# Altium PCB DI543.PcbDoc (part 3 of 8) (continued)
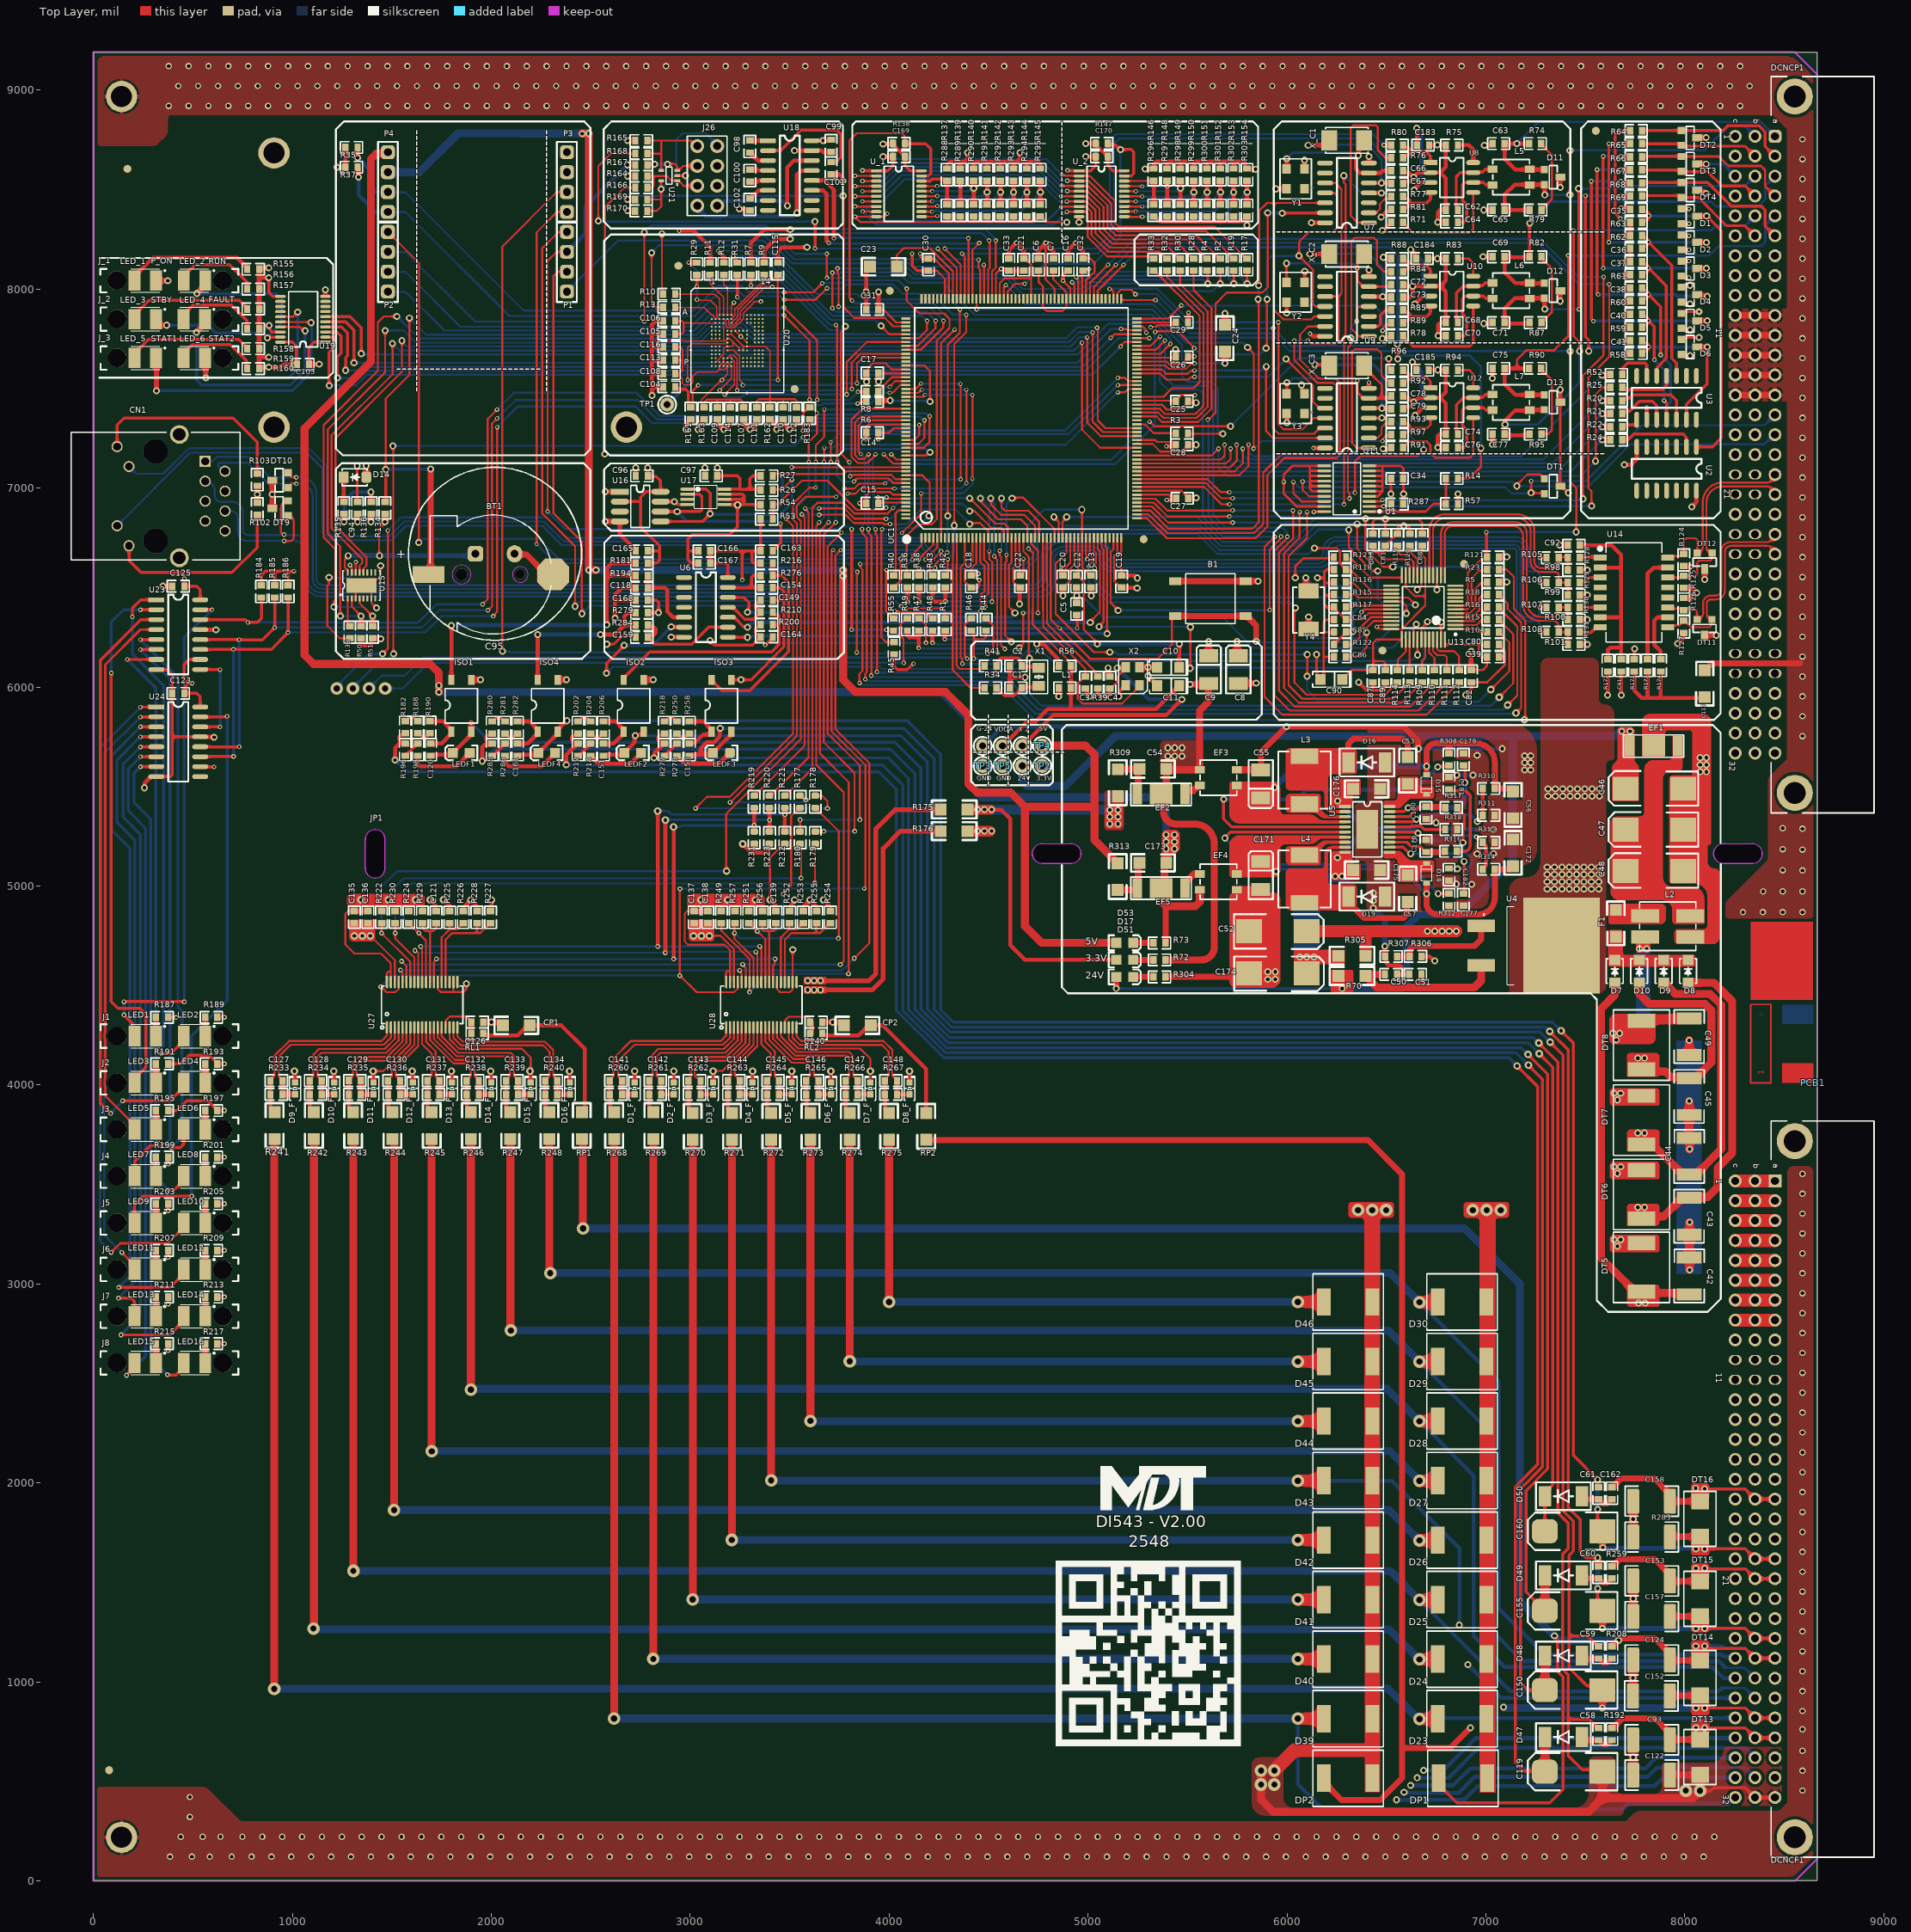
[diagram p0: Top Layer view]
## Nets (pads, with @x,y where several pads share a name; then routed paths per layer and width w, separated by ;. In a path a pad name is that pad's centre, name@x,y a point inside that pad or via, vN(x,y) a via of type N, cw(c..) or ccw(c..) an arc to the next point about the centre after c; other vN are vias at no path point) (continued)
  other v1: 6064,4644 6100,4644 6243,5049 6277,5049 6254.5,5428
+24V: 24V.1 C46.1 D51.A EF1.3 R70.1 | length 6378.6
  Top Layer w15: D51.A@5142,4543.41 D51.A@5142.27,4543.68
  Top Layer w30: v1(5142,4485) D51.A@5142,4543.41
  Top Layer w50: C46.1@7703.1,5489.2 C46.1@7722.43,5508.53
  Bottom Layer w15: v1(5142,4485) v1(6278,4485)
  Bottom Layer w40: 24V.1@4670.32,5604.24 4670.32,5525.43 4693.75,5502 4886,5502 5138,5754 7135,5754 7649,5754 7673.54,5778.54 v1(7683.56,5778.54) ; v1(6278,4485) 6576.57,4485 6600,4508.43 6600,4794 6663,4857 6864,4857 7135,5128 7135,5738.19 ; v1@7686.02,5778.54 v1(7725.39,5778.54)
+24V-1: C140.2 RL2.1 U28.16 | length 250.7
  Top Layer w9.84: U28.16@3475.85,4289.32 3476.23,4289.7 3476.23,4324.23 3495,4343 3589.77,4343 3613.27,4319.5 C140.2@3613.27,4316
  Top Layer w19.68: RL2.1@3613.27,4258.38 C140.2@3613.27,4316
+24V-2: C126.2 RL1.1 U27.16 | length 241.4
  Top Layer w9.84: U27.16@1771.05,4289.7 1771.05,4324.23 1790.82,4344 1874.5,4344 C126.2@1899,4319.5
  Top Layer w19.68: RL1.1@1893,4257.86 1899,4263.86 C126.2@1899,4316
+24VF-1: C119.1 D47.K R182.2 R196.2 | length 11061.5
  Top Layer w15: R196.2@1555.9,5725.26 1544.33,5725.26 1535.55,5734.05 1535.55,5750.36 1544.33,5759.15 1559.4,5759.15 R182.2@1567.9,5767.65 ; v5(7157,4096) 7259.84,3993.16 7259.84,2092.52 7147.64,1980.32 7147.64,594.49 7190.95,551.18 C119.1@7297.36,551.18
  Top Layer w20: v1(1516.77,5632.87) 1516.77,5693.9 1539.41,5716.54 1567.12,5716.54 R196.2@1567.9,5715.76
  Top Layer w40: C119.1@7296.96,548.23 7297.36,548.63 7297.36,551.18 7297.36,721.99 D47.K@7297.77,722.39
  Bottom Layer w15: v1(1516.77,5632.87) 1576.65,5573 3949,5573 4037,5485 4037,4375 4276,4136 7117,4136 v5(7157,4096)
+24VF-2: C150.1 D48.K R202.2 R212.2 | length 9829.4
  Top Layer w15: R212.2@2424.48,5724.26 2412.91,5724.26 2404.12,5733.05 2404.12,5749.36 2412.91,5758.15 2427.98,5758.15 R202.2@2436.48,5766.65 ; v5(7214,4099.86) 7285.43,4028.42 7285.43,2080.71 7174.21,1969.49 7174.21,996.06 7211.71,958.56 C150.1@7296.96,958.56
  Top Layer w20: v1(2377,5609) 2377,5659.78 2432.98,5715.76 R212.2@2436.48,5715.76
  Top Layer w30: C150.1@7296.96,958.56 C150.1@7297.36,958.97 ; D48.K@7297.36,1131.68 D48.K@7297.77,1132.09
  Top Layer w40: C150.1@7297.36,958.97 D48.K@7297.36,1131.68
  Bottom Layer w15: v1(2377,5609) 3968,5609 4069,5508 4069,4375.35 4282.35,4162 7151,4162 v5@7213,4100
+24VF-3: C155.1 D49.K R218.2 R277.2 | length 8976.1
  Top Layer w15: R277.2@2867.04,5715.76 2858.54,5724.26 2846.98,5724.26 2838.19,5733.05 2838.19,5749.36 2846.98,5758.15 2862.04,5758.15 R218.2@2870.54,5766.65 ; v5@7211.98,4154.02 7311,4055 7311,2070.84 7201.77,1961.61 7201.77,1452.52 C155.1@7296.96,1357.33 C155.1@7297.36,1357.74
  Top Layer w20: v1(2818,5644) 2820.87,5646.87 2820.87,5669.59 R277.2@2867.04,5715.76
  Top Layer w30: D49.K@7297.36,1534.62 D49.K@7297.77,1535.03
  Top Layer w40: C155.1@7297.36,1357.74 D49.K@7297.36,1534.62
  Bottom Layer w15: v1(2818,5644) 3995,5644 4097,5542 4097,4379.7 4289.7,4187 7178.38,4187 v5(7211.67,4153.71)
+24VF-4: C160.1 D50.K R280.2 R285.2 | length 9320.3
  Top Layer w15: R285.2@1992.6,5724.26 1981.03,5724.26 1972.25,5733.05 1972.25,5749.36 1981.03,5758.15 1996.1,5758.15 R280.2@2004.6,5766.65 ; v5@7268.55,4157.45 7336.73,4089.27 7336.73,1990.43 7321.76,1975.46 7297.77,1951.46 D50.K@7297.77,1932.96 7296.96,1932.15 C160.1@7296.96,1757.1
  Top Layer w20: v1(1954.76,5627.95) 1954.76,5698.04 1966.48,5709.76 1998.6,5709.76 R285.2@2004.6,5715.76
  Bottom Layer w15: v1(1954.76,5627.95) 2015.81,5689 4006,5689 4129,5566 4129,4380.05 4297.05,4212 7214,4212 v5@7268.55,4157.45
  other v5: 7268.67,4157.57
A_CS0: R138.1 U_1.19 UC1.95 | length 3357.5
  Top Layer w10: v3(3813.98,7942.91) 3801.91,7954.98 3801.91,8748.91 3837,8784 4064,8784 4080.66,8767.34 R138.1@4080.66,8731.4 ; UC1.95@5245.9,7675.54 5365.04,7675.54 v3(5414,7724.5)
  Top Layer w15: R138.1@4080.66,8731.4 4184.4,8731.4 4209.8,8706 4209.8,8582.43 4196.84,8569.47 4162.94,8569.47 U_1.19@4162.8,8569.33
  Bottom Layer w10: v3(3813.98,7942.91) 3827.76,7929.13 4221.87,7929.13 4304.54,7846.46 5319.16,7846.46 5414,7751.61 v3(5414,7724.5)
A_CS1: R147.1 U_2.19 UC1.134 | length 1463.5
  Top Layer w10: UC1.134@4596.29,7951.13 4596.29,7989.01 4634.46,8027.18 4681.18,8027.18 v3(4681.87,8027.87)
  Top Layer w15: R147.1@5099.64,8733 5108.14,8724.5 5138.54,8724.5 5161.05,8702 5216,8702 5229,8689 5229,8582 5216.47,8569.47 5182.14,8569.47 U_2.19@5182,8569.33
  Bottom Layer w10: v3(4681.87,8027.87) 4781.38,8127.38 5027.38,8127.38 5162,8262 v1@5162,8702
  other v1: 5163.97,8702
BP-ADD0: DCNCP1.A2 DT2.1 R64.1 | length 784.1
  Top Layer w15: R64.1@7785.91,8797.51 7786.38,8797.98 7981.97,8797.98 DT2.1@7982.44,8798.45 8193.45,8798.45 8216,8821 8374,8821 8402,8793 8402,8790.97 8403.76,8789.21 8403.76,8717.24 8452.5,8668.5 DCNCP1.A2@8453.78,8668.5
BP-ADD1: DCNCP1.B2 DT2.2 R65.1 | length 593.4
  Top Layer w14: R65.1@7786.08,8730.46 7975.44,8730.46 7987.41,8718.48 8303.8,8718.48 DCNCP1.B2@8353.78,8668.5
BP-ADD2: DCNCP1.A4 DT3.1 R66.1 | length 797.7
  Top Layer w12: DT3.1@7982.44,8667.04 8171.96,8667.04 8218.98,8620.02 8382.98,8620.02 8404,8599 8404,8518.28 DCNCP1.A4@8453.78,8468.5
  Top Layer w15: R66.1@7786.08,8668.19 7981.29,8668.19 DT3.1@7982.44,8667.04
BP-ADD3: DCNCP1.B4 DT3.2 R67.1 | length 623.2
  Top Layer w15: R67.1@7786.08,8598.93 7975.56,8598.93 DT3.2@7982.44,8592.04 DT3.2@7984.49,8590 ; DT3.2@7983.47,8591.02 8114.98,8591.02 8187.48,8518.52 8303.76,8518.52 DCNCP1.B4@8353.78,8468.5
BP-ADD4: DCNCP1.A6 DT4.1 R68.1 | length 824
  Top Layer w15: R68.1@7786.08,8536.66 DT4.1@7981.41,8536.66 ; DT4.1@7982.44,8535.63 8115.37,8535.63 8232.52,8418.48 8383.52,8418.48 8403.8,8398.2 8403.8,8347.8 8404,8347.6 8404,8318.28 DCNCP1.A6@8453.78,8268.5
BP-ADD5: DCNCP1.B6 DT4.2 R69.1 | length 648.4
  Top Layer w14: R69.1@7786.08,8467.4 R69.1@7788.7,8470.01 ; R69.1@7786.08,8470.01 R69.1@7788.7,8470.01 ; DT4.2@7979.92,8470.01 R69.1@7788.7,8470.01 ; DT4.2@7982.44,8460.63 8068.91,8460.63 8210.54,8319 8303.28,8319 DCNCP1.B6@8353.78,8268.5
BPA0: R24.2 U2.2 | length 389.7
  Top Layer w15: R24.2@7687,7242.42 7689.66,7245.08 7717.52,7245.08 7745.08,7272.64 7992.13,7272.64 8007.06,7257.7 8007.06,7209.16 U2.2@8008.79,7207.44
BPA1: R25.2 U3.4 | length 287.5
  Top Layer w15: R25.2@7687,7505.83 7687,7502.59 7695.5,7494.09 7889.76,7494.09 7908.79,7513.12 U3.4@7908.79,7564.2
BPA2: R52.2 U3.6 | length 222.1
  Top Layer w15: R52.2@7687,7571.68 7689.9,7574.58 7689.9,7604.9 7712.95,7627.95 7801.18,7627.95 7808.79,7620.35 U3.6@7808.79,7564.2
BPA3: R22.2 U3.8 | length 95
  Top Layer w15: R22.2@7687.01,7318.5 7754.63,7318.5 7758.79,7322.66 U3.8@7758.79,7344.2
BPA4: R21.2 U3.10 | length 278.9
  Top Layer w15: R21.2@7687,7374.12 7687,7377.62 7695.5,7386.12 7722.12,7386.12 7772,7436 7837.62,7436 7858.79,7414.84 U3.10@7858.79,7344.2
BPA5: R20.2 U3.12 | length 394.5
  Top Layer w15: R20.2@7687,7439.98 7687,7443.48 7695.5,7451.98 7721.98,7451.98 7739.09,7469.09 7930.91,7469.09 7958.79,7441.21 U3.12@7958.79,7344.2
D0: R17.1 U_1.2 U_2.2 | length 2385.7
  Top Layer w10: v3(3828.4,8570.18) 3828.45,8570.13 3935.61,8570.13 U_1.2@3936.42,8569.33 ; v3(4870.44,8574.44) 4872.74,8572.15 4885.15,8572.15 4886.23,8571.07 4931.12,8571.07 4931.76,8570.43 4954.52,8570.43 U_2.2@4955.62,8569.33 5009.67,8569.33 5138,8441 5138,8331 5155,8314 5635.48,8314 5795.78,8153.7 R17.1@5799.28,8153.7
  Bottom Layer w10: v3(3828.4,8570.18) 3934.18,8570.18 4018.13,8654.13 4790.75,8654.13 v3(4870.44,8574.44)
D1: R19.1 U_1.3 U_2.3 | length 2237.6
  Top Layer w10: v3@3866,8543.15 U_1.3@3935.83,8543.15 ; v3(4896,8545) 4896.63,8544.37 4954.99,8544.37 U_2.3@4955.62,8543.74 5003.96,8543.74 5118,8429.71 5118,8322.72 5149.14,8291.57 5594.52,8291.57 5717.89,8168.2 5717.89,8164.7 5728.89,8153.7 R19.1@5732.39,8153.7
  Bottom Layer w10: v3@3866,8543.15 3941.91,8543.15 4032.89,8634.13 4773.98,8634.13 4862.54,8545.57 4895.43,8545.57 v3(4896,8545)
  other v3: 3866,8544.13
D2: R2.1 U_1.4 U_2.4 | length 2240.6
  Top Layer w10: v3(3827.91,8518) U_1.4@3936.27,8518 ; v3(4868.74,8519.57) 4869.27,8519.05 4885.18,8519.05 4885.23,8519 4906.77,8519 4906.82,8519.05 4954.73,8519.05 U_2.4@4955.62,8518.15 5001.27,8518.15 5098,8421.42 5098,8312 5138.86,8271.14 5544.56,8271.14 5662,8153.7 R2.1@5665.5,8153.7
  Bottom Layer w10: v3(3827.91,8518) 3945.04,8518 4041.18,8614.13 4765.7,8614.13 4854.26,8525.57 4859.49,8525.57 4865.49,8519.57 v3(4868.74,8519.57)
D3: R4.1 U_1.5 U_2.5 | length 2095.4
  Top Layer w10: v6@3866,8491 3866.78,8491.78 3935.64,8491.78 U_1.5@3936.42,8492.56 ; v3(4896,8493) 4896.22,8492.78 4954.28,8492.78 U_2.5@4955.06,8492 ; U_2.5@4955.62,8492.56 4998.58,8492.56 5078,8413.14 5078,8301.67 5129.95,8249.71 5502.6,8249.71 5584.11,8168.2 5584.11,8164.7 5595.11,8153.7 R4.1@5598.61,8153.7
  Bottom Layer w10: v6(3866,8492) 3947.33,8492 4049.46,8594.13 4757.41,8594.13 4858.55,8493 v3(4896,8493)
D4: R28.1 U_1.6 U_2.6 | length 2096.4
  Top Layer w10: v3(3827.91,8467) U_1.6@3936.42,8466.97 ; v3(4865.97,8467) 4866.18,8466.79 4883.02,8466.79 4883.23,8467 4904.77,8467 4904.98,8466.79 U_2.6@4955.44,8466.79 ; U_2.6@4955.62,8466.97 4956.72,8465.87 4996.98,8465.87 5058,8404.85 5058,8293.02 5122.02,8229 5452.92,8229 5528.22,8153.7 R28.1@5531.72,8153.7
  Bottom Layer w10: v3(3827.91,8467) 3957.04,8467 4064.18,8574.13 4749.13,8574.13 4853.97,8469.3 4863.67,8469.3 v3(4865.97,8467)
D5: R30.1 U_1.7 U_2.7 | length 1947.6
  Top Layer w10: v6@3867,8441 3867.19,8441.19 3936.23,8441.19 U_1.7@3936.42,8441.38 ; v3(4894,8441) 4894.19,8441.19 4955.43,8441.19 U_2.7@4955.62,8441.38 ; U_2.7@4956.72,8440.28 4994.29,8440.28 5038,8396.57 5038,8281 5110,8209 5406.03,8209 5461.33,8153.7 R30.1@5464.83,8153.7
  Bottom Layer w10: v6(3866,8441) 3966.59,8441 4079.72,8554.13 4740.84,8554.13 4853.98,8441 v3(4894,8441)
D6: R32.1 U_1.8 U_2.8 | length 1916
  Top Layer w10: v3(3827.91,8415.79) U_1.8@3936.42,8415.79 ; v3(4866.18,8415) 4954.83,8415 U_2.8@4955.62,8415.79 4956.72,8414.69 4991.6,8414.69 5018,8388.28 5018,8270.75 5099.75,8189 5359.14,8189 5394.44,8153.7 R32.1@5397.94,8153.7
  Bottom Layer w10: v3@3827.91,8416 3877.36,8416 3949.89,8343.46 4362.84,8343.46 4363.38,8344 4794.39,8344 4817.39,8367 4865.39,8415 v3(4866.18,8415)
D7: R33.1 U_1.9 U_2.9 | length 1757
  Top Layer w10: v6(3867.21,8390.79) 3867.51,8390.49 3936.12,8390.49 U_1.9@3936.42,8390.2 ; v3(4894,8389) 4894.6,8389.6 4955.02,8389.6 U_2.9@4955.62,8390.2 4987.8,8390.2 4998,8380 4998,8262.47 5095.76,8164.7 5320.05,8164.7 R33.1@5331.05,8153.7
  Bottom Layer w10: v6(3867.21,8390.79) 3936.15,8321.85 4824.85,8321.85 4892,8389 v3(4894,8389)
DIN1: D39.K DCNCF1.C32 R268.1 | length 9084.3
  Top Layer w39.37: v7@2617.43,817.91 2611.52,823.82 2611.52,826.91 2617.43,832.82 R268.1@2617.43,3728.56
  Top Layer w60: v7(6055,815) v7(6055,815) 6185.87,814.96 D39.K@6185.91,814.93
  Bottom Layer w11.81: DCNCF1.C32@8251.58,418.5 DCNCF1.C32@8253.78,418.5
  Bottom Layer w20: v7(6055,815) 6055,485 6181,359 7689,359 7719,389 8222.08,389 DCNCF1.C32@8251.58,418.5
  Bottom Layer w39.37: v7@2617,815.5 6048.5,815.5 v7@6049,815
  other v7: 2617,816
DIN2: D40.K DCNCF1.A31 R269.1 | length 9104.2
  Top Layer w39.37: v7@2813.52,1127.91 2814.92,1129.32 R269.1@2814.92,3728.56
  Top Layer w60: v7(6055,1115) 6055.44,1114.56 6185.47,1114.56 D40.K@6185.91,1114.12
  Mid-Layer 2 w11.81: 8170,567 8171,568
  Mid-Layer 2 w14: 8171,568 8404.28,568 DCNCF1.A31@8453.78,518.5
  Mid-Layer 2 w20: v7(6055,1115) 6258,912 6258,426 6359,325 6687,325 6929,567 8170,567
  Bottom Layer w39.37: v7@2814.57,1116 6053,1116 v7@6054,1115
  other v7: 2814.57,1115.14
DIN3: D41.K DCNCF1.B31 R270.1 | length 8773.6
  Top Layer w39.37: v7@3007.52,1403.76 3007.52,1410.91 3013.52,1416.91 R270.1@3013.52,3725.48
  Top Layer w60: v7(6055,1414) 6055.34,1413.66 6185.57,1413.66 D41.K@6185.91,1413.32
  Mid-Layer 2 w20: v7(6055,1414) 6312,1157 6312,481 6431,362 6572,362 6588.7,378.7 v1(6588.7,444.5)
  Bottom Layer w15: v1(6588.7,444.5) v1@6591.49,441.71 ; 8196,570 8197.48,568.52 8303.76,568.52 DCNCF1.B31@8353.78,518.5
  Bottom Layer w20: v1@6591.49,441.71 6863.71,441.71 6945,523 7815,523 7860.5,568.5 8194.5,568.5
  Bottom Layer w39.37: v7@3013.52,1414 v7(6055,1414)
  other v7: 3012.14,1414.29
DIN4: D42.K DCNCF1.C31 R271.1 | length 8251.1
  Top Layer w39.37: v7@3209.92,1710.51 3209.92,3714.07 R271.1@3209.92,3724.39
  Top Layer w60: v7(6055,1713) 6055.24,1712.76 6185.66,1712.76 D42.K@6185.91,1712.52
  Mid-Layer 2 w20: v7(6055,1713) 6371,1397 6371,588 v1@6552,407
  Bottom Layer w20: v1(6551,407) 6892,407 6961,476 7849,476 7891.5,518.5 DCNCF1.C31@8253.78,518.5
  Bottom Layer w39.37: v7@3209.71,1713 v7(6055,1713)
  other v7: 3209.71,1713.43
DIN5: D43.K DCNCF1.A30 R272.1 | length 8488
  Top Layer w39.37: v7@3405.69,2021.74 3404.52,2022.91 3407.41,2025.81 3407.41,3714.07 R272.1@3407.41,3724.39
  Top Layer w60: v7(6055,2011) 6055.36,2011.36 6185.55,2011.36 D43.K@6185.91,2011.71
  Mid-Layer 2 w13.5: 8203.88,669.12 8403.17,669.12 DCNCF1.A30@8453.78,618.5
  Mid-Layer 2 w20: v1(6867,1286) 6685,1286 6590.52,1191.52 6590.52,763.48 6684.88,669.12 8203.88,669.12
  Bottom Layer w11.81: v1(6867,1286) v1@6867.09,1286.09
  Bottom Layer w20: v7@6055.5,2010.5 6528.5,2010.5 6867.09,1671.91 v1@6867.09,1286.09
  Bottom Layer w39.37: v7@3407.29,2011 v7(6055,2011)
  other v7: 3407.29,2012.57
DIN6: D44.K DCNCF1.C30 R273.1 | length 7728.8
  Top Layer w39.37: v7@3604.91,2311 v7(3604.86,2311.71) 3604.91,3714.07 R273.1@3604.91,3724.39
  Top Layer w60: v7(6055,2310) 6055.45,2310.45 6185.45,2310.45 D44.K@6185.91,2310.91
  Mid-Layer 2 w20: v7(6055,2310) 6427,1938 6427,674.16 v1@6620.79,480.36
  Bottom Layer w20: v1(6621.45,479.71) 6835.71,479.71 6921,565 7802,565 7855.5,618.5 DCNCF1.C30@8253.78,618.5
  Bottom Layer w39.37: v7@3604.86,2310.5 6034.5,2310.5 v7@6035,2310
DIN7: D45.K DCNCF1.B30 R274.1 | length 7607.1
  Top Layer w39.37: v7@3802.41,2604.82 3797.52,2609.71 3797.52,2613.91 3802.41,2618.8 R274.1@3802.41,3724.39
  Top Layer w60: v7(6055,2610) 6055.05,2610.05 D45.K@6185.91,2610.11 D45.K@6185.91,2610.11
  Mid-Layer 2 w20: v7(6055,2610) 6479,2186 6479,692.91 v1@6653.54,518.36
  Bottom Layer w15: 8194,670 8195.48,668.52 8274.48,668.52 8274.54,668.58 8303.7,668.58 DCNCF1.B30@8353.78,618.5
  Bottom Layer w20: v1(6654.2,517.71) 6812.71,517.71 6963.8,668.8 8192.8,668.8
  Bottom Layer w39.37: v7@3802.43,2610 v7@6033,2610
  other v7: 3802.43,2610.86
DIN8: D46.K DCNCF1.C29 R275.1 | length 7234.2
  Top Layer w39.37: v7@3999.91,2900.75 R275.1@3999.91,3724.39
  Top Layer w60: v7(6055,2910) 6055.35,2909.65 6185.56,2909.65 D46.K@6185.91,2909.3
  Mid-Layer 2 w20: v7(6055,2910) 6533,2432 6533,709.65 v1(6686.95,555.71)
  Bottom Layer w20: v1(6686.95,555.71) 6787.71,555.71 6949.46,717.46 8252.74,717.46 DCNCF1.C29@8253.78,718.5
  Bottom Layer w39.37: v7(4000,2910) v7@6029,2910
DIN9: D23.K DCNCF1.C28 R241.1 | length 10287.5
  Top Layer w39.37: v7(909,965) 909.69,965.69 909.69,3718.93 R241.1@910,3719.24 ; D23.K@6758.51,814.93 D23.K@6758.51,848.39
  Top Layer w60: v7(6666,813) 6666.57,813.57 6757.16,813.57 D23.K@6758.51,814.93
  Bottom Layer w20: v7@6666,818.5 7580.5,818.5 DCNCF1.C28@8253.78,818.5
  Bottom Layer w39.37: v7(909,965) 6508.88,965 6656.88,817 v7@6666,817
DIN10: D24.K DCNCF1.A27 R242.1 | length 10078.4
  Top Layer w39.37: v7(1106,1268) 1109,1271 R242.1@1109,3728.56 ; D24.K@6758.51,1114.12 D24.K@6758.51,1147.59
  Top Layer w60: v7(6666,1113) 6666.56,1113.56 6757.95,1113.56 D24.K@6758.51,1114.12
  Mid-Layer 2 w15: 8203,969 8403.28,969 DCNCF1.A27@8453.78,918.5
  Mid-Layer 2 w20: v7(6666,1113) 6810,969 8203,969
  Bottom Layer w39.37: v7(1106,1268) 1109.92,1264.08 6513.92,1264.08 v7@6664,1114
DIN11: D25.K DCNCF1.B27 R243.1 | length 9622.1
  Top Layer w39.37: R243.1@1305.29,3728.56 1306.15,3727.7 1306.15,1558.85 v7(1307,1558) ; D25.K@6758.51,1413.32 D25.K@6758.51,1446.79
  Top Layer w60: v7@6666.45,1412.45 D25.K@6758.06,1412.45
  Bottom Layer w11.81: v7@6665,1412 v7@6665.5,1411.5 ; 8185,969 8303.28,969 DCNCF1.B27@8353.78,918.5
  Bottom Layer w20: v7@6665.5,1411.5 7125,952 8168,952 8185,969
  Bottom Layer w39.37: v7(1307,1558) 6519,1558 v7@6665,1412
  other v7: 6666,1412
DIN12: D26.K DCNCF1.C27 R244.1 | length 9316.6
  Top Layer w39.37: R244.1@1502.75,3728.56 1511.48,3719.82 v7(1511.48,1863.52)
  Top Layer w60: v7@6666.05,1712.05 D26.K@6758.46,1712.05
  Mid-Layer 2 w20: v7(6666,1711) 6909,1468 v1(6909,1087)
  Bottom Layer w20: v1(6909,1087) 7077.5,918.5 DCNCF1.C27@8253.78,918.5
  Bottom Layer w39.37: v7(1511.48,1863.52) 6513.5,1863.5 v7@6665,1712
DIN13: D27.K DCNCF1.A26 R245.1 | length 9225
  Top Layer w39.37: R245.1@1700.2,3728.56 1700.6,3728.16 1700.6,2159.4 v7(1701,2159)
  Top Layer w60: v7(6666,2010) 6666.57,2010.57 6757.37,2010.57 D27.K@6758.51,2011.71
  Mid-Layer 2 w15: 8204,1069 8403.28,1069 DCNCF1.A26@8453.78,1018.5
  Mid-Layer 2 w20: v7(6666,2010) 6954,1722 6954,1147 7032,1069 8204,1069
  Bottom Layer w39.37: v7(1701,2159) 1703,2161 6516,2161 v7@6665,2012
DIN14: D28.K DCNCF1.C26 R246.1 | length 8817.7
  Top Layer w39.37: R246.1@1897.65,3728.56 1897.83,3728.38 1897.83,2469.17 v7(1898,2469) ; D28.K@6758.51,2310.91 D28.K@6758.51,2344.37
  Top Layer w60: v7(6666,2310) 6666.45,2310.45 6758.06,2310.45 D28.K@6758.51,2310.91
  Bottom Layer w11.81: 8195.5,1018.5 DCNCF1.C26@8253.78,1018.5
  Bottom Layer w20: v7(6666,2310) 6939,2037 6939,1231 7095,1075 8139,1075 8195.5,1018.5
  Bottom Layer w39.37: v7(1898,2469) 1902,2473 6503,2473 6665,2311 v7@6665,2310
DIN15: D29.K DCNCF1.B26 R247.1 | length 8648.3
  Top Layer w39.37: R247.1@2095.11,3728.56 2096.55,3727.11 2096.55,2767.45 v7(2098,2766) ; D29.K@6758.51,2610.11 D29.K@6758.51,2643.57
  Top Layer w60: v7(6666,2610) 6666.05,2610.05 D29.K@6758.51,2610.11 D29.K@6758.51,2610.11
  Bottom Layer w11.81: 8205.88,1070.12 8302.17,1070.12 DCNCF1.B26@8353.78,1018.5
  Bottom Layer w20: v7(6666,2610) 7003,2273 7003,1284 7183,1104 8172,1104 8205.88,1070.12
  Bottom Layer w39.37: v7(2098,2766) 6510,2766 6665,2611 v7@6665,2610
DIN16: D30.K DCNCF1.C25 R248.1 | length 8231.8
  Top Layer w39.37: R248.1@2292.56,3728.56 2292.56,3057.92 v7(2296.59,3053.9) ; D30.K@6758.51,2909.3 D30.K@6758.51,2942.77
  Top Layer w60: v7(6666,2908) 6666.57,2908.57 6757.78,2908.57 D30.K@6758.51,2909.3
  Bottom Layer w11.81: 8193.33,1128.67 8243.61,1128.67 DCNCF1.C25@8253.78,1118.5
  Bottom Layer w20: v7(6666,2908) 7064,2510 7064,1369 7295,1138 8184,1138 8193.33,1128.67
  Bottom Layer w39.37: v7(2296.59,3053.9) 2298.69,3056 6518,3056 v7(6666,2908)
DSI_VDD12: C6.2 C7.2 UC1.119 UC1.125 | length 537.5
  Top Layer w10: C6.2@4751.44,8092.7 4751.44,8036.56 4773.46,8014.54 UC1.125@4773.46,7951.13 4773.46,7908.54 4792,7890 4872,7890 4891.57,7909.57 UC1.119@4891.57,7951.13 4891.57,7984.42 4825.96,8050.02 C7.2@4825.96,8092.7
F_LED1: LED1.A U23.15 | length 2586.9
  Top Layer w15: v4(153.54,4418.31) 154.54,4419.31 455.69,4419.31 v4(457,4418) ; v4(154.15,4352) 195.25,4310.89 195.25,4257.25 LED1.A@206.5,4246 ; U23.15@536.78,6388.85 v3@596.42,6388.81
  Bottom Layer w15: v4(153.54,4418.31) 153.84,4418.01 153.84,4352.3 v4(154.15,4352) ; v4(457,4418) 457,6249.32 v3(596.46,6388.78)
F_LED2: LED2.A U23.1 | length 2609.4
  Top Layer w15: v3(195.87,6352.36) 195.87,6397.3 237.41,6438.85 U23.1@316.78,6438.85 ; v4@341.5,4158.46 389.76,4158.46 432.5,4201.21 432.5,4223.97 LED2.A@454.53,4246
  Bottom Layer w15: v3(195.87,6352.36) 195.87,6165.35 353,6008.22 353,4199.47 342.84,4189.31 342.84,4159.81 v4@341.5,4158.47
  other v4: 342.5,4158.47
F_LED3: LED3.A U23.2 | length 2729.3
  Top Layer w15: v3(89.57,6070.87) 89.57,4419.29 123.03,4385.83 233.27,4385.83 263.78,4355.32 263.78,4088.58 229.88,4054.68 228.53,4054.68 206.5,4032.65 LED3.A@206.5,4011 ; v3@236.59,6388.81 U23.2@316.75,6388.81
  Bottom Layer w15: v3(89.57,6070.87) 89.57,6326.77 151.2,6388.41 v3(236.19,6388.41)
F_LED4: LED4.A U23.3 | length 3112.1
  Top Layer w15: v4(86.61,3857.28) 34,3909.9 34,6134.14 238.88,6339.02 U23.3@316.54,6339.02 ; v4(146.65,3920.28) 385.46,3920.28 454.53,3989.35 LED4.A@454.53,4011
  Bottom Layer w15: v4(86.61,3857.28) 145.7,3916.37 145.7,3919.32 v4(146.65,3920.28)
F_LED5: LED5.A U23.4 | length 2728.3
  Top Layer w12: LED5.A@206.5,3777 206.5,3798.65 63.51,3941.64 60,3945.15 60,3987.97 cw(c118.9,4011) 60,4034.03 60,4222.97 cw(c118.9,4246) 60,4269.03 60,6112.81 236.1,6288.9 U23.4@316.65,6288.9
F_LED6: LED6.A U23.5 | length 2886.2
  Top Layer w15: v3@236.19,6238.31 U23.5@316.25,6238.31 ; v4(390.75,3685.04) 436.02,3685.04 454.53,3703.55 LED6.A@454.53,3777
  Bottom Layer w15: v3@237.14,6236.86 425,6049 425,4391 446,4370 446,3742.18 390.75,3686.93 v4(390.75,3685.04)
  other v3: 236.19,6237.82
F_LED7: LED7.A U23.6 | length 2902.5
  Top Layer w15: LED7.A@206.5,3542 208.66,3544.16 208.66,3617.13 286.42,3694.88 v4(354.33,3694.88) ; v3(236.19,6188.6) 236.31,6188.72 U23.6@316.62,6188.72
  Bottom Layer w15: v3(236.19,6188.6) 385,6039.79 385,3725.55 v4(354.33,3694.88)
F_LED8: LED8.A U23.7 | length 3016.8
  Top Layer w15: v3(170.28,6138.78) U23.7@316.68,6138.81 ; v4(375.98,3473.43) 376.15,3473.26 407.45,3473.26 454.53,3520.35 LED8.A@454.53,3542
  Bottom Layer w15: v3(170.28,6138.78) 313,5996.06 313,3536.41 v4(375.98,3473.43)
F_LED9: LED9.A U24.15 | length 3019.1
  Top Layer w15: LED9.A@206.5,3307 206.5,3396.46 251.97,3441.93 v4(494.41,3441.93) ; U24.15@536.78,5850.13 536.91,5850.26 667.81,5850.26 670.89,5853.35 v3(672.24,5853.35)
  Bottom Layer w15: v4(494.41,3441.93) 493.11,3443.22 493.11,4246.06 672.24,4425.2 v3(672.24,5853.35)
F_LED10: LED10.A U24.1 | length 3363.4
  Top Layer w12: v4@89.12,3158.91 134.93,3204.72 373.91,3204.72 454.53,3285.35 LED10.A@454.53,3307 ; v3@239.92,5900.13 U24.1@316.78,5900.13
  Bottom Layer w12: v4@89.13,3158.91 33.46,3214.57 33.46,5696.18 v3(236.22,5898.94)
  other v4: 89.57,3158.46
F_LED11: LED11.A U24.2 | length 2995.4
  Top Layer w12: v4(142.72,3158.46) 182.97,3118.21 182.97,3096.53 LED11.A@206.5,3073
  Top Layer w15: v3@236.63,5850.13 U24.2@316.78,5850.13
  Bottom Layer w12: v4(142.72,3158.46) 54.13,3247.05 54.13,5667.64 v3(236.22,5849.73)
F_LED12: LED12.A U24.3 | length 3398.6
  Top Layer w15: v4(126.97,2982.28) 385.47,2982.28 454.53,3051.35 LED12.A@454.53,3073 ; v3@236.41,5800.32 U24.3@316.59,5800.32
  Bottom Layer w15: v4(126.97,2982.28) 183.65,3038.96 183.65,5189.35 90.55,5282.45 90.55,5654.84 v3(236.22,5800.51)
F_LED13: LED13.A U24.4 | length 3183.9
  Top Layer w15: v4(125.98,2928.15) 189.96,2928.15 206.69,2911.42 206.69,2838.19 LED13.A@206.5,2838 ; v3@236.22,5750.22 U24.4@316.69,5750.22
  Bottom Layer w15: v4(125.98,2928.15) 208,3010.17 208,5231 118.11,5320.89 118.11,5632.21 v3(236.22,5750.32)
F_LED14: LED14.A U24.5 | length 3514
  Top Layer w15: v4(138.78,2744.09) 382.28,2744.09 454.53,2816.35 LED14.A@454.53,2838 ; v3@236.22,5699.63 U24.5@316.28,5699.63
  Bottom Layer w15: v4(138.78,2744.09) 235,2840.32 235,5261 149,5347 149,5611.91 v3(236.22,5699.13)
F_LED15: LED15.A U24.6 | length 3368.5
  Top Layer w15: v4(167,2541) 167,2541.85 206.5,2581.35 LED15.A@206.5,2603 ; v3@236.22,5650.03 U24.6@316.67,5650.03
  Bottom Layer w15: v4(167,2541) 262,2636 262,5291.57 175,5378.57 175,5588.7 v3(236.22,5649.92)
F_LED16: LED16.A U24.7 | length 3341.5
  Top Layer w15: v3@236.22,5599.93 U24.7@316.58,5599.93 ; v4(372.05,2544.29) 373.39,2542.95 397.39,2542.95 398.05,2542.29 415.48,2542.29 454.53,2581.35 LED16.A@454.53,2603
  Bottom Layer w15: v3(236.22,5599.73) 202.76,5566.26 202.76,5421.24 288,5336 288,2627.35 371.06,2544.29 v4(372.05,2544.29)
FPOW1: U6.6 UC1.27 | length 3303.1
  Top Layer w10: UC1.27@4675.03,6750.34 4675.03,6682.25 4702.59,6654.7 4702.59,6404.94 4702.44,6404.8 4702.44,6142.41 v1@4704.07,6140.78
  Top Layer w15: v1(2580,6070) 2580,6121.21 v1(2668.31,6209.52) ; v1(2904.53,6303.15) v1@2905.61,6302.07 ; U6.6@2967.89,6302.07 U6.6@2968.98,6300.98
  Top Layer w20: v1@2905.61,6302.07 U6.6@2967.89,6302.07
  Bottom Layer w10: v1(2580,6070) 2612.24,6102.24 3953.01,6102.24 3962.69,6092.55 3962.94,6092.55 3963.99,6091.5 4651.84,6091.5 v1(4705.06,6144.71)
  Bottom Layer w15: v1(2668.31,6209.52) 2810.9,6209.52 v1(2904.53,6303.15)
FPOW2: U6.10 UC1.46 | length 2305.5
  Top Layer w10: v1(5011.5,6325) 5011.5,6329.5 5060.03,6378.03 5060.03,6680.97 5049.05,6691.95 UC1.46@5049.05,6750.34
  Top Layer w15: U6.10@3188.98,6350.98 3219.41,6350.98 3223.91,6346.48 3226.35,6346.48 3267.83,6305.01 3289.97,6305.01 v1@3290.93,6304.05
  Bottom Layer w20: v1(3288.39,6301.18) 3313.52,6326.32 5010.18,6326.32 v1(5011.5,6325)
FPOW3: U6.12 UC1.24 | length 1925.4
  Top Layer w10: 4615.66,6627.98 4615.66,6627.66 4603.35,6615.35 4603.35,6402.86 v1(4633.17,6373.03) ; 4615.98,6627.98 UC1.24@4615.98,6750.34
  Top Layer w15: U6.12@3178.15,6449.96 3270.51,6449.96 3294.94,6425.53 v1@3294.94,6376.63
  Bottom Layer w15: v1@3297.62,6375.98 3994.71,6375.98 4018.19,6352.5 4614.39,6352.5 4633.17,6371.29 v1(4633.17,6373.03)
  other v1: 3288.39,6376.63
FPOW4: U6.8 UC1.48 | length 2397.7
  Top Layer w10: UC1.48@5088.42,6750.34 5088.42,6707.58 5096,6700 v1(5096,6268)
  Top Layer w15: U6.8@3188.98,6250.98 3189.47,6250.49 3287.89,6250.49 v1(3288.39,6250)
  Bottom Layer w15: v1@3295.21,6253.83 3305.05,6253.83 3307.17,6255.95 4037.95,6255.95 4050.82,6268.82 v1@5096,6268.82 ; v1@5092.17,6267.83 v1@5096,6264
FPW1: C93.1 DCNCF1.A29 DCNCF1.B29 DP2.K DT13.K R192.1 RP2.2 | length 9016.1
  Top Layer w15: C93.1@7925.84,731.31 7925.84,731.15 7946.53,710.46 7948.34,708.65 8040.26,708.65 8040.37,708.76 8040.37,710.46 8040.37,731.31 8065.12,731.31 DT13.K@8076.77,742.96 ; v1@8095.52,768.48 8303.84,768.48 DCNCF1.B29@8353.78,718.5 DCNCF1.A29@8453.78,718.5
  Top Layer w30: RP2.2@4188,3723 6408,3723 6579.66,3551.34 6579.66,516.66 6469,406 6275,406 DP2.K@6187,494 ; 6581,668 6821,668 v1(6922,769) ; R192.1@7633.96,767.39 7637.46,767.39 7686.99,816.93 7851.38,816.93 7910.84,757.46 7910.84,723.65 C93.1@7925.84,708.65 ; C93.1@7937.5,710.46 7946.53,710.46 8040.37,710.46 DT13.K@8077.76,710.46 ; DT13.K@8076.77,742.96 8076.77,767.72
  Mid-Layer 2 w20: v1@6922.52,768.48 v1@8056,768.48
  Bottom Layer w15: v1@8095.52,768.52 8303.76,768.52 DCNCF1.B29@8353.78,718.5 DCNCF1.A29@8453.78,718.5
  Bottom Layer w30: v1(8056,768) v1@8095.52,768
  other v1: 8100,768
FPW2: C124.1 DCNCF1.A25 DCNCF1.B25 DP1.K DT14.K R208.1 RP1.2 | length 11240.7
  Top Layer w15: DP1.K@6762.85,515.73 6790.78,487.8 6790.78,454.33 6792.67,454.33 6855,392 7321,392 7388,459 7388,1025 7361,1052 7361,1212.21 7345,1228.21 v1(7345,1231) ; v1@8058.52,1168.48 8303.8,1168.48 DCNCF1.B25@8353.78,1118.5 DCNCF1.A25@8453.78,1118.5
  Top Layer w30: R208.1@7633.96,1178.09 7637.46,1178.09 7638.46,1179.09 7638.46,1182.59 7674.37,1218.5 7850.39,1218.5 7910.84,1158.05 7910.84,1157.34 7925.13,1143.05 7925.84,1143.05 C124.1@7925.84,1109.84 ; C124.1@7925.84,1100 7934.11,1108.27 DT14.K@8077.76,1108.27 8063.26,1122.77 8063.26,1162.39 8057,1168.65 8057,1170 v1@8058.52,1168.48
  Top Layer w39.37: RP1.2@2460.47,3722.81 2460.74,3722.54 2460.74,3279.26 v7(2461,3279)
  Mid-Layer 1 w15: v1@8098,1180 8134,1180 8145.52,1168.48 8303.8,1168.48 DCNCF1.B25@8353.78,1118.5 DCNCF1.A25@8453.78,1118.5
  Mid-Layer 1 w30: v1@8057,1180 v1@8098,1180
  Mid-Layer 2 w15: v1@8098,1180 8134,1180 8145.52,1168.48 8303.8,1168.48 DCNCF1.B25@8353.78,1118.5 DCNCF1.A25@8453.78,1118.5
  Mid-Layer 2 w30: v1@8058.35,1180 v1@8096.65,1180
  Bottom Layer w15: v1@8098,1180 8192,1180 8203.48,1168.52 8303.76,1168.52 DCNCF1.B25@8353.78,1118.5 DCNCF1.A25@8453.78,1118.5
  Bottom Layer w30: v1@8057,1180 v1@8098,1180
  Bottom Layer w39.37: v7(2461,3279) 6893,3279 7171,3001 7171,1405 v1(7345,1231) 7368,1208 v1@7668,1208
  other v1: 8056,1180 8100,1180 7666.99,1208.81